# Altium PCB Blue Tractor_v3.3-2022.PcbDoc (part 1 of 3) (continued)
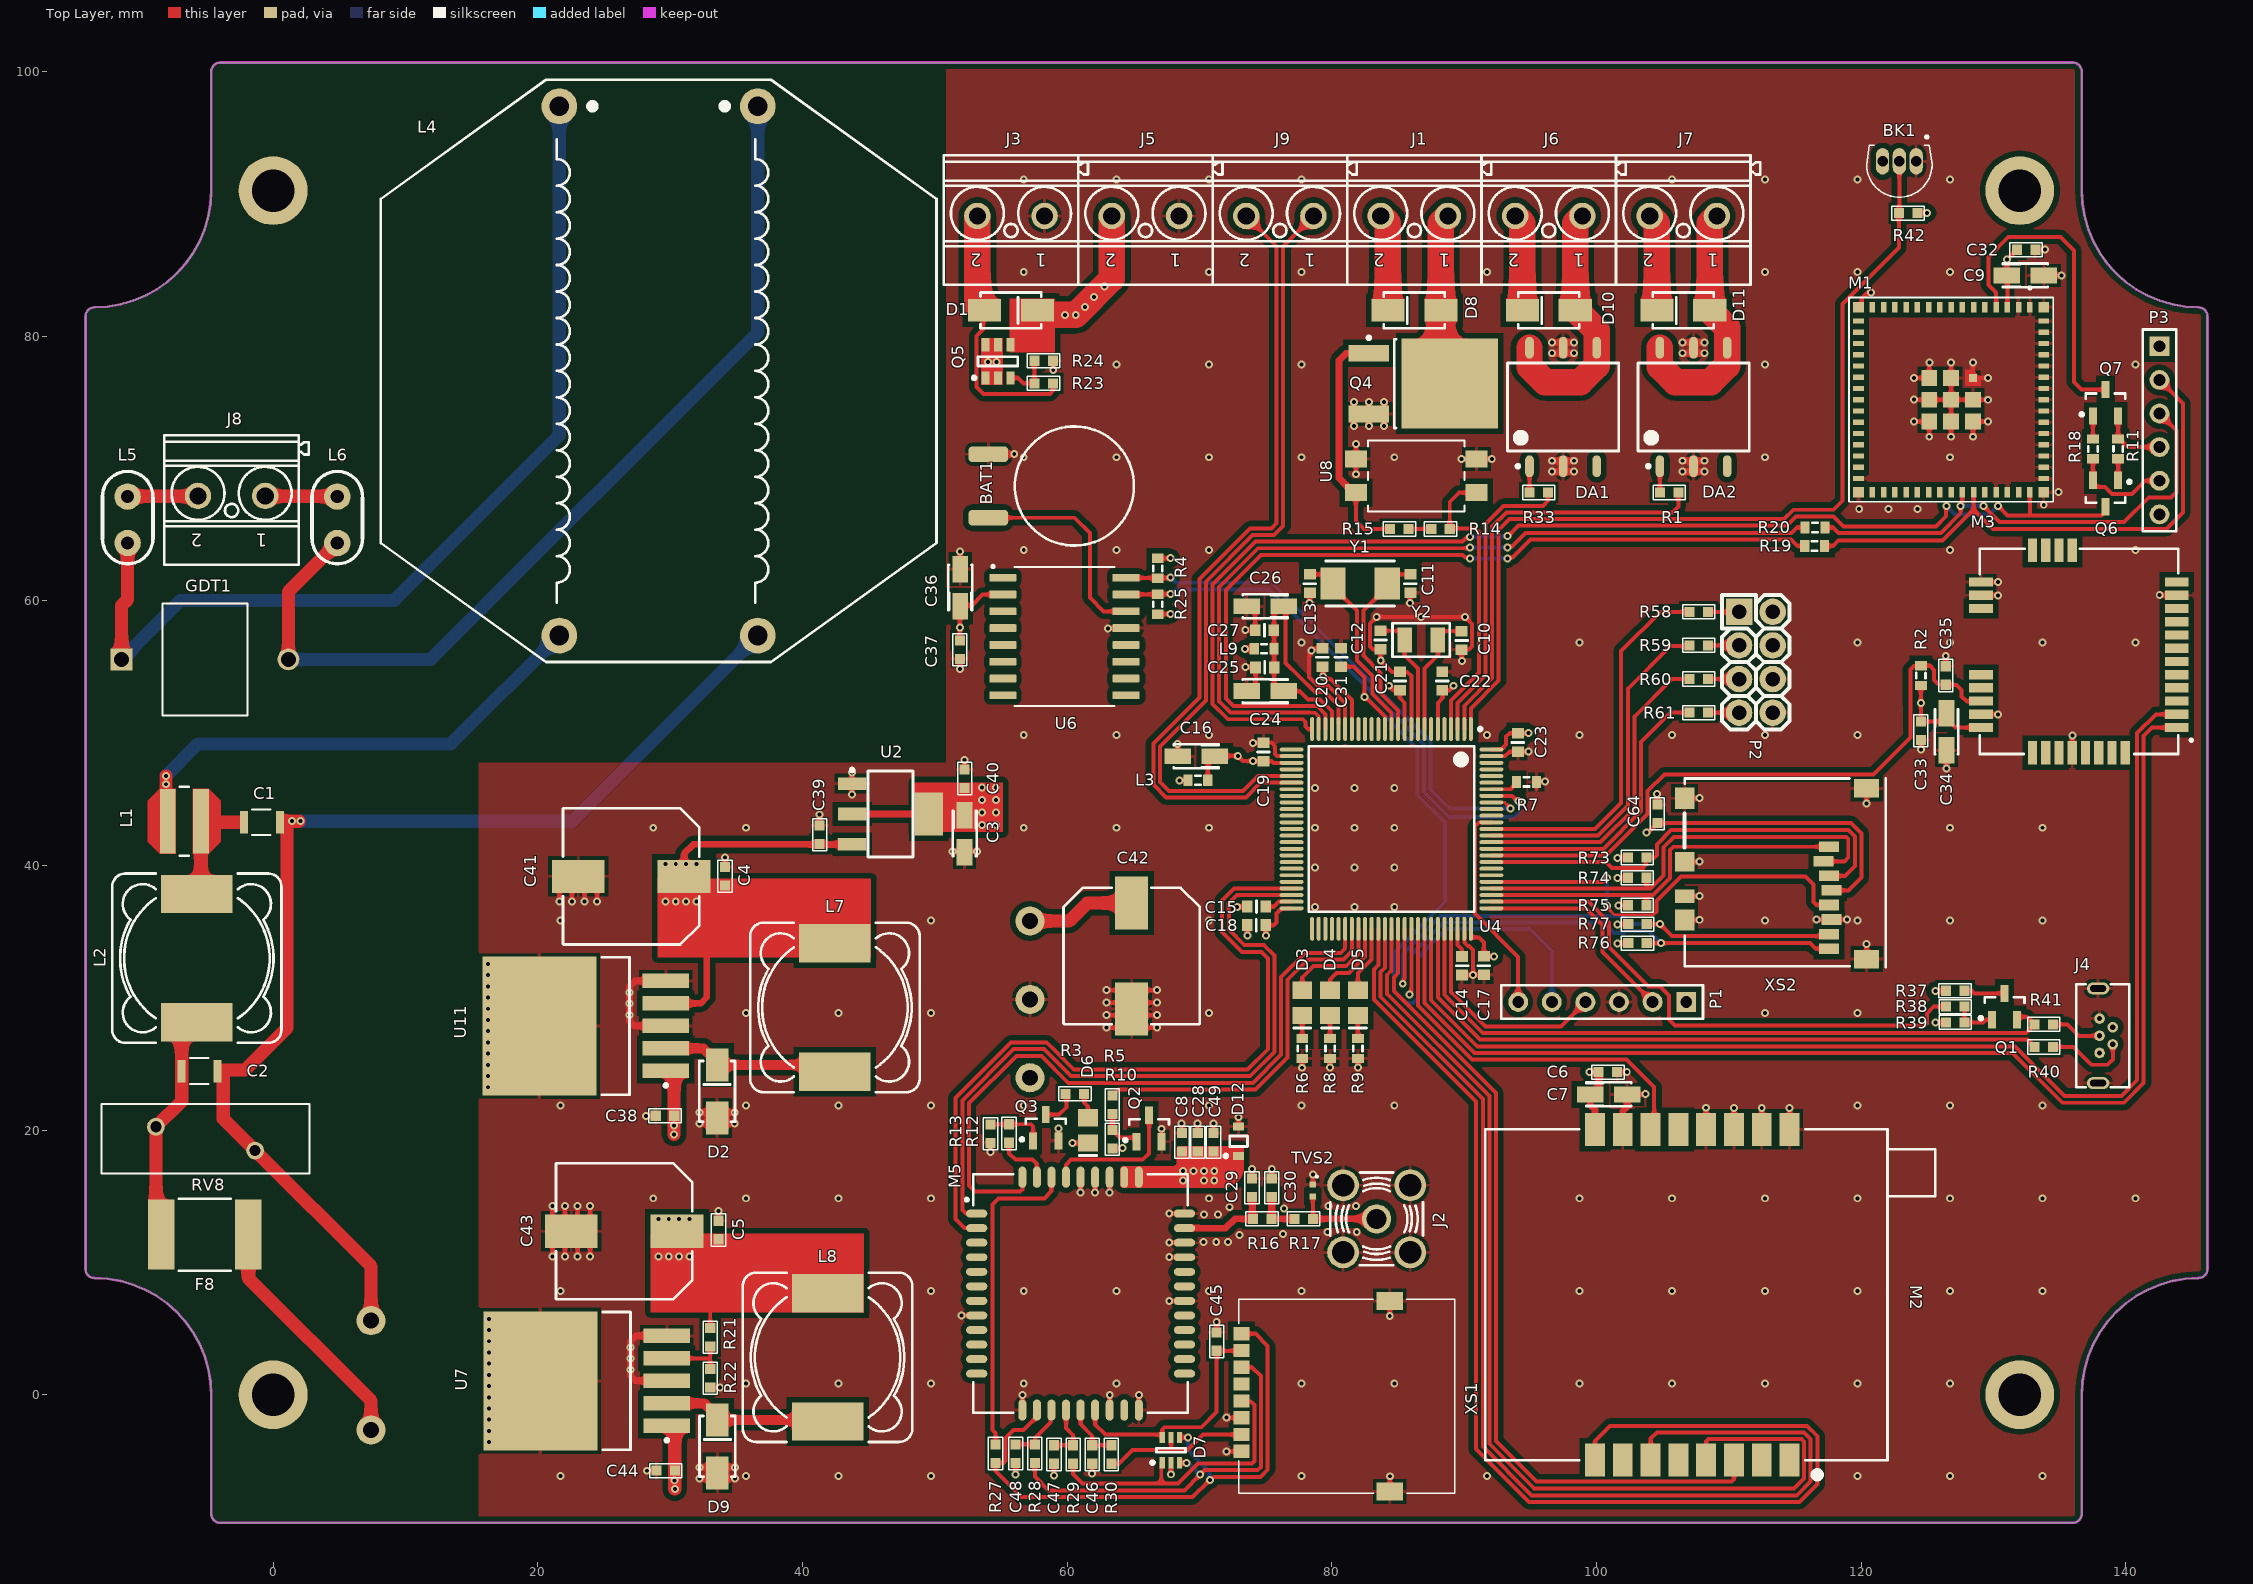
[diagram p0: Top Layer view]
## Board outline (continued)

## Design rules (kind name [scope] priority, off if disabled: settings)
Clearance Clearance_poly [InPoly] p1: gap=0.4 ignorepadtopadclearanceinfootprint=FALSE
Clearance [All] p2: gap=0.2 ignorepadtopadclearanceinfootprint=FALSE
ComponentClearance [All] p1: gap=0.2 collisioncheckmode=3 verticalgap=0.2 showdistances=FALSE
HoleSize [All] p1: absolutevalues=TRUE maxlimit=3.5 minlimit=0.025 maxpercent=80.000 minpercent=20.000
MinimumAnnularRing [All] p1: minimumring=0.2
MinimumSolderMaskSliver [All] p1: minsoldermaskwidth=0
PolygonConnect PolygonConnect_1 [IsVia] p1: connectstyle=Direct reliefconductorwidth=0.254 reliefentries=4 polygonreliefangle="90 Angle" airgapwidth=0.254
PolygonConnect [All] p2: connectstyle=Relief reliefconductorwidth=0.254 reliefentries=4 polygonreliefangle="90 Angle" airgapwidth=0.254
RoutingVias [All] p1: holewidth=0.3 width=0.6 viastyle="Through Hole" minholewidth=0.3 minwidth=0.6 maxholewidth=0.3 maxwidth=0.6
SilkToSilkClearance [All] p1: silktosilkclearance=0.1
SilkToSolderMaskClearance [IsPad] p1: minsilkscreentomaskgap=0.01 clearancetoexposedcopper=TRUE
SolderMaskExpansion [All] p1: expansion=0.102 istentingtop=FALSE
Width [All] p1: maxlimit=3 minlimit=0.2 preferedwidth=0.3 checkconnectedcopper=TRUE
25 further rules are at their usual default settings.

## Classes and differential pairs
net class HV: 4V_FB 12V_VDD +3.3V +4V +5V GND NetC1_1 NetC1_2 NetC2_2 NetC42_1 NetD1_1 NetD2_2 NetD9_2 NetF8_2 NetGDT1_1 NetGDT1_2 NetJ8_1 NetJ8_2 NetL1_1 NetQ5_3 NetU12_5
component class "[12] - RTC": BAT1 C36 C37 R4 R25 U6
component class "[11] - MOSFET": D8 D10 D11 DA1 DA2 J1 J6 J7 Q4 R1 R14 R15 R33 U8
component class "[10] - RFID": C6 C7 M2
component class "[09] - EMC-Power": C1 C2 C3 C4 C5 C38 C39 C40 C41 C42 C43 C44 D1 D2 D9 F8 GDT1 J3 J5 J8 L1 L2 L4 L5 L6 L7 L8 Q5 R21 R22 R23 R24 RV8 U2 U7 U11 U12
component class "[08] - LoRa_RAK3172": A1 A2 A3 A4 C33 C34 C35 M3 R2
component class "[07] - SD": *1 C64 R73 R74 R75 R76 R77 XS2
component class "[06] - IO_Ports": P2 R58 R59 R60 R61
component class "[05] - Sensors": BK1 R42
component class "[04] - USB-UART": J4 Q1 R37 R38 R39 R40 R41
component class "[03] - WiFi": C9 C32 M1 P3 Q6 Q7 R11 R18
component class "[02] - GSM": C8 C28 C29 C30 C45 C46 C47 C48 C49 D6 D7 D12 J2 M5 Q2 Q3 R3 R5 R10 R12 R13 R16 R17 R27 R28 R29 R30 TVS2 XS1
component class "[01] - MC": C10 C11 C12 C13 C14 C15 C16 C17 C18 C19 C20 C21 C22 C23 C24 C25 C26 C27 C31 D3 D4 D5 J9 L3 L9 P1 R6 R7 R8 R9 R19 R20 U4 Y1 Y2

## Components (designator, comment, footprint, x,y, rotation, side; value= is the part's Value field where it differs from the comment)
BAT1 "Battery" Bat 55.575,68.678 r270 top
BK1 "MAX31820" TO92127P495H695-3 122.895,92.469 r180 top
C1 "Capacitor" CAPASITOR_1206 -0.687,43.266 r180 top
C2 "Capacitor" CAPASITOR_1206 -5.391,24.466 r180 top
C3 "Capacitor Polarized" "Tantalum 3216 A" 52.26,42.411 r270 top
C4 "Capacitor" 0603_C 34.149,39.179 r270 top
C5 "Capacitor" 0603_C 33.653,12.45 r270 top
C6 "Capacitor" 0603_C 100.873,24.387 r180 top
C7 "Capacitor Polarized" "Tantalum 3216 A" 100.924,22.705 r0 top
C8 "Capacitor" 0603_C 68.679,19.091 r270 top
C9 "Capacitor Polarized" "Tantalum 3216 A" 132.42,84.595 r0 top
C10 "Capacitor" "Cap 0603" 89.816,57.007 r270 top
C11 "Capacitor" "Cap 0603" 85.938,61.302 r270 top
C12 "Capacitor" "Cap 0603" 83.691,57.036 r270 top
C13 "Capacitor" "Cap 0603" 78.349,61.303 r270 top
C14 "Capacitor" "Cap 0603" 89.846,32.423 r90 top
C15 "Capacitor" "Cap 0603" 74.315,36.891 r0 top
C16 "Capacitor Polarized" "Tantalum 3216 A" 69.767,48.257 r180 top
C17 "Capacitor" "Cap 0603" 91.5,32.434 r90 top
C18 "Capacitor" "Cap 0603" 74.305,35.491 r0 top
C19 "Capacitor" "Cap 0603" 74.838,48.577 r270 top
C20 "Capacitor" "Cap 0603" 79.299,55.728 r270 top
C21 "Capacitor" "Cap 0603" 85.15,53.937 r270 top
C22 "Capacitor" "Cap 0603" 88.351,53.937 r270 top
C23 "Capacitor" "Cap 0603" 94.066,49.289 r90 top
C24 "Capacitor Polarized" "Tantalum 3216 A" 74.969,53.175 r180 top
C25 "Capacitor" "Cap 0603" 74.94,54.975 r0 top
C26 "Capacitor Polarized" "Tantalum 3216 A" 74.969,59.586 r180 top
C27 "Capacitor" "Cap 0603" 74.914,57.776 r0 top
C28 "Capacitor" 0603_C 69.872,19.091 r270 top
C29 "Capacitor" 0603_C 73.973,15.642 r270 top
C30 "Capacitor" 0603_C 75.468,15.642 r270 top
C31 "Capacitor" "Cap 0603" 80.699,55.728 r270 top
C32 "Cap" 0603_C 132.471,86.531 r180 top value=0.1uF
C33 "Capacitor" 0603_C 124.521,50.175 r90 top
C34 "Capacitor Polarized" "Tantalum 3216 A" 126.457,50.101 r270 top
C35 "Capacitor" 0603_C 126.4,54.356 r270 top
C36 "Capacitor Polarized" "Tantalum 3216 A" 51.923,61.002 r90 top
C37 "Capacitor" 0603_C 51.898,56.302 r90 top
C38 "Capacitor" 0603_C 29.611,21.086 r0 top value=100nF
C39 "Capacitor" 0603_C 41.3,42.316 r270 top
C40 "Capacitor" 0603_C 52.26,46.563 r270 top
C41 "Capacitor Polarized" "Aluminium SMD G" 27.057,39.18 r0 top
C42 "Capacitor Polarized" "Aluminium SMD G" 64.881,33.16 r90 top
C43 "Capacitor Polarized" "Aluminium SMD G" 26.528,12.358 r0 top
C44 "Capacitor" 0603_C 29.669,-5.736 r0 top
C45 "Capacitor" 0603_C 71.306,4.023 r270 top
C46 "Capacitor" 0603_C 61.901,-4.512 r90 top
C47 "Capacitor" 0603_C 59.008,-4.512 r90 top
C48 "Capacitor" 0603_C 56.115,-4.448 r90 top
C49 "Capacitor" 0603_C 71.066,19.091 r270 top
C64 "Capacitor" 0603_C 104.607,43.904 r270 top
D1 "SK32" D-Schottky 55.759,81.953 r0 top
D2 "SK32" D-Schottky 33.553,22.923 r90 top
D3 "LED" "Led 0805 green" 77.769,29.618 r90 top
D4 "LED" "Led 0805 green" 79.872,29.618 r90 top
D5 "LED" "Led 0805 green" 81.976,29.618 r90 top
D6 "LED" "Led 0805 green" 61.578,19.984 r90 top
D7 "SMF05CT1G" "? TVS SMF05CT" 67.852,-4.181 r90 top
D8 "SK32" D-Schottky 86.241,81.953 r180 top
D9 "SK32" D-Schottky 33.569,-3.9 r90 top
D10 "SK32" D-Schottky 96.403,81.953 r180 top
D11 "SK32" D-Schottky 106.566,81.953 r180 top
D12 "D Schottky_1" SOD-323 72.963,19.161 r90 top
DA1 "LCA715STR" 6-SMD 97.486,74.649 r90 top
DA2 "LCA715STR" 6-SMD 107.341,74.649 r90 top
F8 "Fuse" FUSR_LITTELFUSE_2920L -5.172,12.103 r0 top value=1A
GDT1 "Gas Discharge Tube" GTCA28_TYCO_TYC -11.451,55.575 r0 top
J1 "" "Connector -PHOENIX_1715721" 86.241,89.082 r180 top
J2 "SMA" AMPHENOL_132134 83.393,13.295 r270 top
J3 "" "Connector -PHOENIX_1715721" 55.759,89.083 r180 top
J4 "USB3145-30-1-A" USB3145-XX-X_revB 138.274,27.129 r90 top
J5 "" "Connector -PHOENIX_1715721" 65.919,89.082 r180 top
J6 "" "Connector -PHOENIX_1715721" 96.403,89.082 r180 top
J7 "" "Connector -PHOENIX_1715721" 106.566,89.082 r180 top
J8 "" "Connector -PHOENIX_1715721" -3.14,67.925 r180 top
J9 "" "Connector -PHOENIX_1715721" 76.079,89.082 r180 top
L1 "Inductor" "? INDUCTOR_TDK" -6.716,43.345 r0 top
L2 "Inductor" "L8 -INDUCTOR_BOURNS_SRR1260" -5.766,32.991 r270 top
L3 "Inductor" 0603 69.885,46.443 r0 top
L4 "RN114-1-02 Current-compensated Chokes" "IND: RN152" 29.125,77.375 r270 top value=10mH
L5 "Inductor_BFB20022-4B-RC-ND" "INDUCTOR FB20022" -12.7,68.925 r270 top
L6 "Inductor_BFB20022-4B-RC-ND" "INDUCTOR FB20022" 3.15,68.925 r270 top
L7 "SRR1210" "L8 -INDUCTOR_BOURNS_SRR1260" 42.453,29.272 r90 top value=68µH
L8 "SRR1210" "L8 -INDUCTOR_BOURNS_SRR1260" 41.898,2.831 r90 top value=68µH
L9 "Inductor" 0603 74.89,56.375 r0 top
M1 "ESP32-S2-MINI-1U _Module" ESP32-S2-MINI-1U 126.807,75.198 r270 top
M2 "CF-MU904" CF-MU904 108.087,7.429 r180 top
M3 "RAK3172" RAK3172 136.458,56.172 r270 top
M5 "SIM800C" "GSM SIM800C" 61.019,7.643 r0 top
P1 "SWD" HDR1X6 106.791,29.68 r180 top
P2 "Header 4X2A" "CON: PLD-2*4" 112.049,55.359 r270 top
P3 "Header 6" HDR1X6 142.554,79.235 r270 top
Q1 "BC817-16" SOT23-3 130.85,29.335 r90 top
Q2 "SBC817-16" SOT23-3 66.201,20.122 r90 top
Q3 "BC817-16" SOT23-3 58.387,20.173 r90 top
Q4 "MOSFET-N" "D-PAK (TO-252)" 88.206,76.409 r0 top
Q5 "PMOSFET" SOT23-6 54.772,78.099 r90 top
Q6 "SS8049" SOT23-3 138.477,68.113 r270 top
Q7 "SS8049" SOT23-3 138.477,74.965 r90 top
R1 "Res1" 0603_R 105.499,68.183 r0 top value=300
R2 "Res1" Res-0603 124.521,54.343 r270 top
R3 "Res1" 0603_R 60.591,22.735 r0 top
R4 "Res1" Res-0603 66.853,62.459 r270 top
R5 "Res1" 0603_R 63.425,21.91 r90 top
R6 "Res1" Res-0603 77.769,26.168 r270 top
R7 "Res1" Res-0603 94.716,46.32 r180 top
R8 "Res1" Res-0603 79.872,26.168 r270 top
R9 "Res1" Res-0603 81.976,26.168 r270 top
R10 "Res1" 0603_R 63.425,19.314 r90 top
R11 "Res1" Res-0603 139.427,71.488 r90 top
R12 "Res1" 0603_R 55.611,19.745 r90 top
R13 "Res1" 0603_R 54.215,19.733 r90 top
R14 "Res1" 0603_R 88.22,65.43 r180 top
R15 "Res1" 0603_R 85.116,65.43 r0 top
R16 "Res1" 0603_R 74.735,13.295 r180 top
R17 "Res1" 0603_R 77.872,13.295 r180 top
R18 "Res1" Res-0603 137.527,71.488 r270 top
R19 "Res1" Res-0603 116.494,64.144 r180 top
R20 "Res1" Res-0603 116.519,65.545 r180 top
R21 "Res1" 0603_R 33.032,4.355 r270 top
R22 "Res1" 0603_R 33.032,1.25 r90 top
R23 "Res1" 0603_R 58.226,76.439 r180 top
R24 "Res1" 0603_R 58.226,78.143 r0 top
R25 "Res1" Res-0603 66.853,59.741 r90 top
R27 "Res1" 0603_R 54.593,-4.448 r270 top
R28 "Res1" 0603_R 57.562,-4.448 r270 top
R29 "Res1" 0603_R 60.454,-4.512 r270 top
R30 "Res1" 0603_R 63.347,-4.512 r270 top
R33 "Res1" 0603_R 95.644,68.183 r0 top value=300
R37 "Res1" 0603_R 127.106,30.531 r0 top
R38 "Res1" 0603_R 127.121,29.335 r180 top
R39 "Res1" 0603_R 127.121,28.138 r0 top
R40 "Res1" 0603_R 133.812,26.284 r0 top
R41 "Res1" 0603_R 133.812,27.988 r0 top
R42 "Res1" 0603_R 123.555,89.294 r0 top
R58 "Res1" 0603_R 107.734,59.169 r0 top
R59 "Res1" 0603_R 107.734,56.629 r0 top
R60 "Res1" 0603_R 107.734,54.089 r0 top
R61 "Res1" 0603_R 107.734,51.549 r0 top
R73 "Res1" 0603_R 103.083,40.598 r180 top
R74 "Res1" 0603_R 103.083,39.074 r180 top
R75 "Res1" 0603_R 103.083,36.995 r180 top
R76 "Res1" 0603_R 103.105,34.135 r180 top
R77 "Res1" 0603_R 103.105,35.565 r180 top
RV8 "Res Varistor" VARS_B72214S0271K101_TDK -1.362,18.453 r180 top
TVS2 "LXE15AAA1-153" LXES15_MUR-L 78.571,15.453 r270 top
U2 "LM1117MPX-3.3" LM1117IMPX-3.3 58.255,34.691 r0 top
U4 "STM32F407VGT6J" LQFP100_N 84.515,42.761 r270 top
U6 "DS3231M+TRL" DS3231-RTC 59.798,57.302 r0 top
U7 "LM2596S-12" TO-263-5 23.703,1.054 r180 top
U8 "Optoisolator1" LTV-817S_LTO-L 86.386,69.444 r180 top
U11 "LM2575" TO-263-5 23.628,27.876 r180 top
U12 "CBM70S120" "MOD: CBM70S" 33.046,24 r0 bottom locked
XS1 "WE-Card Connectors" 693022010811 73.187,-0.106 r270 top
XS2 "=Value" MICROSD 113.549,39.376 r270 top
Y1 "XTAL2pin" ABM3 82.143,61.306 r0 top
Y2 "32768" ECX-31B 86.751,57.036 r0 top

## Footprints (in the part's own frame and the unit in brackets; to place one, negate y for a bottom-side part, rotate by r counter-clockwise, add the part's x,y. Pads: shape width x height; smd on the part's side, far side on the other; paste and mask are expansions set on the pad)
6-SMD [mm] "Body 8.3x6.3mm; pitch 2.54mm"
  oval 1.65x0.65 smd: 1(-4.475,2.54) 2(-4.475,0) 3(-4.475,-2.54) 4(4.475,-2.54) 5(4.475,0) 6(4.475,2.54)
  silkscreen extent -4.6,-4.2 3.32,4.2, body extent -4.57,-4.23 4.59,4.28, height 4.08
0603 [mm] "Chip Resistor, Body 1.6x0.8mm, IPC High Density"
  rect 0.7x0.9 smd: 1(-0.75,0) 2(0.75,0)
  silkscreen extent -0.2,-0.35 0.2,0.35, body extent -0.8,-0.4 0.8,0.4, height 0.95
0603_C [mil] "Capacitor"
  rect 30x30 smd: 1(-27.5,0) 2(27.5,0)
  silkscreen extent -48,-21 48,21, body extent -35,-15 35,15, height 33
0603_R [mil]
  rect 30x30 smd: 1(-27.5,0) 2(27.5,0)
  silkscreen extent -48,-21 48,21, body extent -35,-15 35,15, height 24
693022010811 [mm]
  rect 1x1.2 smd: C1(-4.72,0) C2(-2.18,0) C3(0.36,0) C4(2.9,0) C5(-3.45,0) C6(-0.91,0) C7(1.63,0) C8(4.17,0)
  rect 1.35x2 smd: Z1(7.2,11.2) Z2(-7.2,11.2)
  silkscreen extent -7.33,-0.21 7.33,16.1, body extent -7.7,-0.21 7.7,16.09, height 2.07
"? INDUCTOR_TDK" [mm] "VLS252012T-2R2M1R3"
  rect 1.2x4.9 smd: 1(-1.25,0) 2(1.25,0)
  Top Layer region: -2.75,-1.55 -1.85,-2.45 -0.65,-2.45 -0.65,2.45 -1.85,2.45 -2.75,1.55
  Top Layer region: 2.75,1.55 1.85,2.45 0.65,2.45 0.65,-2.45 1.85,-2.45 2.75,-1.55
  silkscreen extent -0.35,-2.6 0.35,2.6, body extent -2.6,-2.6 2.6,2.6, height 2
"? TVS SMF05CT" [mm] "SOT363, 6-Leads"
  rect 0.85x0.4 smd: 1(-0.95,0.65) 2(-0.95,0) 3(-0.95,-0.65) 4(0.95,-0.65) 5(0.95,0) 6(0.95,0.65)
  silkscreen extent -1.07,-1.1 0.15,1.52, body extent -0.67,-1.1 0.68,1.1, height 1.1
ABM3 [mm] "ABM3 Miniature Ceramic SMD Crystal from Abracon. 5 mm x 3.2 mm x 1.3mm."
  rect 1.9x2.4 smd: 1(-2.05,0) 2(2.05,0)
  silkscreen extent -2.6,-1.7 2.6,1.7, body extent -2.6,-1.7 2.6,1.7, height 1.3
"Aluminium SMD G" [mm] "ALU-G(O=10.0mm, ?=10.3mm, h=10.2mm)"
  rect 4x2.5 smd: 1(4,0) 2(-4,0)
  silkscreen extent -5.15,-5.15 5.15,5.15, body extent -5.8,-5.15 5.8,5.15, height 10.2
AMPHENOL_132134 [mm] "50 Ohm Through Hole SMA Straight PCB Jack"
  round 2.2 hole 1.5: 1(0,0)
  round 2.4 hole 1.7: 2(-2.54,2.54) 2(-2.54,-2.54) 2(2.54,2.54) 2(2.54,-2.54)
  silkscreen extent -3.5,-3.5 3.5,3.5, body extent -3.5,-3.5 3.5,3.5, height 9.53
Bat [mm]
  rrect50% 1.2x3 smd: 1(2.4,-1.525) 2(-2.4,-1.525)
  silkscreen extent -4.5,0.48 4.5,9.48, body extent -5,-0.02 5,9.98, height 2.5
"Cap 0603" [mm] "Chip Capacitor, Body 1.6x0.8mm, IPC High Density"
  rect 0.8x0.9 smd: 1(-0.7,0) 2(0.7,0)
  silkscreen extent 0,-0.45 0,0.45, body extent -0.8,-0.41 0.8,0.41, height 0.57
CAPASITOR_1206 [mm] "500V"
  rect 0.6x1.7 smd: 1(-1.2,0) 2(1.524,0)
  silkscreen extent -0.5,-0.98 0.9,0.97, body extent -1.3,-0.8 1.6,0.8, height 1.2
CF-MU904 [mm] "UHF RFID reader module"
  rect 1.5x2.5 smd: 1(-6.509,12.373) 2(-4.409,12.373) 3(-2.309,12.373) 4(-0.209,12.373) 5(1.891,12.373) 6(3.991,12.373) 7(6.091,12.373) 8(8.191,12.373) 9(8.191,-12.627) 10(6.091,-12.627) 11(3.991,-12.627) 12(1.891,-12.627) 13(-0.209,-12.627) 14(-2.309,-12.627) 15(-4.409,-12.627) 16(-6.509,-12.627)
  silkscreen extent -17.51,-12.63 16.49,13.73, body extent -17.85,-12.63 16.65,12.37, height 3.8
"CON: PLD-2*4" [mm] "PLD-40 8 pin header"
  rect 2x2 hole 1.1: 1(-3.81,-1.27)
  round 2 hole 1.1: 2(-3.81,1.27) 3(-1.27,-1.27) 4(-1.27,1.27) 5(1.27,-1.27) 6(1.27,1.27) 7(3.81,-1.27) 8(3.81,1.27)
  silkscreen extent -5.08,-2.54 5.08,2.54, body extent -5.13,-2.55 5.03,2.53, height 8.54
"Connector -PHOENIX_1715721" [mm] "Terminal Block, 17.5A 400V, Pitch 5.08mm, 2 Positions, Screw Connection"
  round 2 hole 1.3: 1(-2.54,0) 2(2.54,0)
  silkscreen extent -5.82,-4.6 5.08,5.2, body extent -5.82,-4.6 5.08,5.2, height 14.2
"D-PAK (TO-252)" [mm]
  rect 3.05x1.25 smd: 1(-5.4,2.29) 3(-5.4,-2.29)
  rect 7.3x6.8 smd: 2(0.7,0)
  silkscreen extent -5.52,-3.35 -3.35,3.59, body extent -6.38,-3.37 3.72,3.37, height 2.37
D-Schottky [mm] "40 V 3 A"
  rect 2.5x1.7 smd: 1(-2,0) 2(2,0)
  silkscreen extent -2.3,-1.35 2.3,1.35, body extent -2.6,-1.28 2.6,1.35, height 2.5
DS3231-RTC [mm] "SOIC127P1032X265-16N"
  rrect25% 2.05x0.59 smd: 1(-4.655,4.445) 2(-4.655,3.175) 3(-4.655,1.905) 4(-4.655,0.635) 5(-4.655,-0.635) 6(-4.655,-1.905) 7(-4.655,-3.175) 8(-4.655,-4.445) 9(4.655,-4.445) 10(4.655,-3.175) 11(4.655,-1.905) 12(4.655,-0.635) 13(4.655,0.635) 14(4.655,1.905) 15(4.655,3.175) 16(4.655,4.445)
  silkscreen extent -5.5,-5.25 3.8,5.4, body extent -5.16,-5.13 5.16,5.17, height 2.65
ECX-31B [mm] "SMD CRYSTAL 32768Hz"
  rect 1.1x1.9 smd: 1(-1.25,0) 2(1.25,0)
  silkscreen extent -2.16,-1.27 2.16,1.27, body extent -1.6,-0.75 1.6,0.75, height 0.9
ESP32-S2-MINI-1U [mm] "SMD MODULE, ESP32-S2FN4R2 WITH 4"
  rect 0.8x0.4 smd: 1(-7,5.95) 2(-7,5.1) 3(-7,4.25) 4(-7,3.4) 5(-7,2.55) 6(-7,1.7) 7(-7,0.85) 8(-7,0) 9(-7,-0.85) 10(-7,-1.7) 11(-7,-2.55) 12(-7,-3.4) 13(-7,-4.25) 14(-7,-5.1) 15(-7,-5.95) 31(7,-5.95) 32(7,-5.1) 33(7,-4.25) 34(7,-3.4) 35(7,-2.55) 36(7,-1.7) 37(7,-0.85) 38(7,0) 39(7,0.85) 40(7,1.7) 41(7,2.55) 42(7,3.4) 43(7,4.25) 44(7,5.1) 45(7,5.95)
  rect 0.4x0.8 smd: 16(-5.95,-7) 17(-5.1,-7) 18(-4.25,-7) 19(-3.4,-7) 20(-2.55,-7) 21(-1.7,-7) 22(-0.85,-7) 23(0,-7) 24(0.85,-7) 25(1.7,-7) 26(2.55,-7) 27(3.4,-7) 28(4.25,-7) 29(5.1,-7) 30(5.95,-7) 46(5.95,7) 47(5.1,7) 48(4.25,7) 49(3.4,7) 50(2.55,7) 51(1.7,7) 52(0.85,7) 53(0,7) 54(-0.85,7) 55(-1.7,7) 56(-2.55,7) 57(-3.4,7) 58(-4.25,7) 59(-5.1,7) 60(-5.95,7)
  rect 0.6x0.6 smd paste-1 mask+0: 61(-1.65,1.65)
  rect 1.2x1.2 smd: 61(-1.65,0) 61(-1.65,-1.65) 61(0,1.65) 61(0,0) 61(0,-1.65) 61(1.65,1.65) 61(1.65,0) 61(1.65,-1.65)
  rect 0.8x0.8 smd: 62(-7,7) 63(-7,-7) 64(7,-7) 65(7,7)
  Top Layer region: -1.05,1.05 -2.25,1.05 -2.25,1.65 -1.65,2.25 -1.05,2.25
  silkscreen extent -8.55,-7.72 7.72,7.72, body extent -7.7,-7.7 7.7,7.7, height 2.55
FUSR_LITTELFUSE_2920L [mm] "Surface Mount POLY-FUSE® Resettable PTC, Body 7.355 x 5.12mm, 2920L Series"
  rect 2x5.3 smd: 1(-3.3,0) 2(3.3,0)
  silkscreen extent -1.95,-2.72 1.95,2.72, body extent -3.99,-2.72 3.99,2.72, height 1.8
"GSM SIM800C" [mm]
  oval 1.6x0.6 smd: 1(-7.85,6.05) 2(-7.85,4.95) 3(-7.85,3.85) 4(-7.85,2.75) 5(-7.85,1.65) 6(-7.85,0.55) 7(-7.85,-0.55) 8(-7.85,-1.65) 9(-7.85,-2.75) 10(-7.85,-3.85) 11(-7.85,-4.95) 12(-7.85,-6.05) 22(7.85,-6.05) 23(7.85,-4.95) 24(7.85,-3.85) 25(7.85,-2.75) 26(7.85,-1.65) 27(7.85,-0.55) 28(7.85,0.55) 29(7.85,1.65) 30(7.85,2.75) 31(7.85,3.85) 32(7.85,4.95) 33(7.85,6.05)
  oval 0.6x1.6 smd: 13(-4.4,-8.8) 14(-3.3,-8.8) 15(-2.2,-8.8) 16(-1.1,-8.8) 17(0,-8.8) 18(1.1,-8.8) 19(2.2,-8.8) 20(3.3,-8.8) 21(4.4,-8.8) 34(4.4,8.8) 35(3.3,8.8) 36(2.2,8.8) 37(0,8.8) 37(1.1,8.8) 39(-1.1,8.8) 40(-2.2,8.8) 41(-3.3,8.8) 42(-4.4,8.8)
  silkscreen extent -8.7,-9.01 8.1,9.01, body extent -7.85,-8.8 7.85,8.8, height 2.37
GTCA28_TYCO_TYC [mil]
  rect 65x65 hole 45 mask+0: 1(0,0)
  round 65 hole 45 mask+0: 2(496.1,0)
  silkscreen extent 121,-166 375,167, body extent -17,-162 514,162, height 323
HDR1X6 [mm] "Connector; Header; 6 Position"
  rect 1.5x1.5 hole 0.9: 1(0,0)
  round 1.5 hole 0.9: 2(2.54,0) 3(5.08,0) 4(7.62,0) 5(10.16,0) 6(12.7,0)
  silkscreen extent -1.27,-1.27 13.97,1.27
"IND: RN152" [mm] "2 Line Common Mode Choke Through Hole Filter"
  round 2.7 hole 1.5: 1(-20,7.5) 2(20,7.5) 3(-20,-7.5) 4(20,-7.5)
  silkscreen extent -22,-21 22,21, body extent -22,-21.2 22,21.2, height 23.98
"INDUCTOR FB20022" [mm]
  round 2 hole 1: 1(1.05,1.7) 2(4.555,1.7)
  silkscreen extent -0.85,-0.21 6.13,3.61, body extent -0.86,-0.21 6.13,3.61, height 10
"L8 -INDUCTOR_BOURNS_SRR1260" [mm] "SMD Inductor Body Width 12.5mm Body Lenght 12.5mm Height 6.5mm"
  rect 2.9x5.4 smd: 1(-4.85,0) 2(4.85,0)
  silkscreen extent -6.4,-6.4 6.4,6.4, body extent -6.4,-6.4 6.4,6.4, height 6.5
"Led 0805 green" [mm] "Body 2.0 x 1.2 mm (LxW typ)"
  rect 1.3x1.5 smd: 1(-0.95,0) 2(0.95,0)
  silkscreen extent -1.9,-0.65 -1.9,0.65, body extent -1.01,-0.62 1.01,0.63, height 1.1
LM1117IMPX-3.3 [mm] "SOT 223"
  rect 2.15x0.95 smd: 1(-14.5,11.5) 2(-14.5,9.2) 3(-14.5,6.9)
  rect 2.15x3.25 smd: 2(-8.7,9.2)
  silkscreen extent -14.62,5.95 -9.9,12.65, body extent -15.1,5.85 -8.1,12.55, height 1.8
LQFP100_N [mm] "Thin QFP, 100-Leads, Body 14x14mm, Pitch 0.5mm, IPC Medium Density"
  oval 1.8x0.3 smd: 1(-7.55,6) 2(-7.55,5.5) 3(-7.55,5) 4(-7.55,4.5) 5(-7.55,4) 6(-7.55,3.5) 7(-7.55,3) 8(-7.55,2.5) 9(-7.55,2) 10(-7.55,1.5) 11(-7.55,1) 12(-7.55,0.5) 13(-7.55,0) 14(-7.55,-0.5) 15(-7.55,-1) 16(-7.55,-1.5) 17(-7.55,-2) 18(-7.55,-2.5) 19(-7.55,-3) 20(-7.55,-3.5) 21(-7.55,-4) 22(-7.55,-4.5) 23(-7.55,-5) 24(-7.55,-5.5) 25(-7.55,-6) 51(7.55,-6) 52(7.55,-5.5) 53(7.55,-5) 54(7.55,-4.5) 55(7.55,-4) 56(7.55,-3.5) 57(7.55,-3) 58(7.55,-2.5) 59(7.55,-2) 60(7.55,-1.5) 61(7.55,-1) 62(7.55,-0.5) 63(7.55,0) 64(7.55,0.5) 65(7.55,1) 66(7.55,1.5) 67(7.55,2) 68(7.55,2.5) 69(7.55,3) 70(7.55,3.5) 71(7.55,4) 72(7.55,4.5) 73(7.55,5) 74(7.55,5.5) 75(7.55,6)
  oval 0.3x1.8 smd: 26(-6,-7.55) 27(-5.5,-7.55) 28(-5,-7.55) 29(-4.5,-7.55) 30(-4,-7.55) 31(-3.5,-7.55) 32(-3,-7.55) 33(-2.5,-7.55) 34(-2,-7.55) 35(-1.5,-7.55) 36(-1,-7.55) 37(-0.5,-7.55) 38(0,-7.55) 39(0.5,-7.55) 40(1,-7.55) 41(1.5,-7.55) 42(2,-7.55) 43(2.5,-7.55) 44(3,-7.55) 45(3.5,-7.55) 46(4,-7.55) 47(4.5,-7.55) 48(5,-7.55) 49(5.5,-7.55) 50(6,-7.55) 76(6,7.55) 77(5.5,7.55) 78(5,7.55) 79(4.5,7.55) 80(4,7.55) 81(3.5,7.55) 82(3,7.55) 83(2.5,7.55) 84(2,7.55) 85(1.5,7.55) 86(1,7.55) 87(0.5,7.55) 88(0,7.55) 89(-0.5,7.55) 90(-1,7.55) 91(-1.5,7.55) 92(-2,7.55) 93(-2.5,7.55) 94(-3,7.55) 95(-3.5,7.55) 96(-4,7.55) 97(-4.5,7.55) 98(-5,7.55) 99(-5.5,7.55) 100(-6,7.55)
  silkscreen extent -7.67,-6.25 6.25,6.83, body extent -8,-8 8,8, height 1.6
LTV-817S_LTO-L [mil]
  rect 65x51 smd paste+0 mask+0: 1(-179.5,50) 2(-179.5,-50) 3(179.5,-50) 4(179.5,50)
  silkscreen extent -143,-105 143,106, body extent -206,-101 206,101, height 181
LXES15_MUR-L [mm] "TVS"
  rect 0.452x0.499 smd paste+0 mask+0: 1(-0.451,0) 2(0.451,0)
  silkscreen extent -1.1,0.22 -0.95,0.38, body extent -0.53,-0.28 0.53,0.28, height 0.33
MICROSD [mm]
  rect 0.8x1.5 smd: 1(-2.04,4.025) 2(-0.94,3.625) 3(0.16,4.025) 4(1.26,4.225) 5(2.36,4.025) 6(3.46,4.225) 7(4.56,4.025) 8(5.66,4.025)
  rect 1.4x1.9 smd: 9(-6.45,6.875) 9(6.45,6.875)
  rect 1.6x1.5 smd: 10(-5.7,-6.875) 10(3.5,-6.875)
  rect 1.5x1.5 smd: 10(-0.9,-6.875)
  rect 1x1.5 smd: 10(1.7,-6.875)
  silkscreen extent -7.2,-6.88 7.05,8.33, body extent -7.2,-6.87 7.05,8.33, height 1.9
"MOD: CBM70S" [mm] "AC/DC CONVERTER"
  round 2.2 hole 1.2: 1(-25.65,26.66) 2(-25.65,18.4) 3(24.15,-11.8) 4(24.15,-5.88) 5(24.15,0.04)
  silkscreen extent -28.9,-30.5 28.9,30.5, body extent -28.95,-30.5 28.95,30.5, height 17
RAK3172 [mm] "SMD RF MODULE"
  rect 0.7x1.8 smd: 1(5.75,7.4) 2(4.75,7.4) 3(3.75,7.4) 4(2.75,7.4) 5(1.75,7.4) 6(0.75,7.4) 7(-0.25,7.4) 8(-1.25,7.4) 9(-2.25,7.4) 10(-3.25,7.4) 11(-4.25,7.4) 12(-5.25,7.4) 17(-5.25,-7.4) 18(-4.25,-7.4) 19(-3.25,-7.4) 20(1.75,-7.4) 21(2.75,-7.4) 22(3.75,-7.4) 23(4.75,-7.4) 24(5.75,-7.4)
  rect 1.8x0.7 smd: 13(-7.65,-0.5) 14(-7.65,-1.5) 15(-7.65,-2.5) 16(-7.65,-3.5) 25(7.65,-3.5) 26(7.65,-2.5) 27(7.65,-1.5) 28(7.65,-0.5) 29(7.65,0.5) 30(7.65,1.5) 31(7.65,2.5) 32(7.65,3.5)
  silkscreen extent -7.75,-7.5 7.75,8.6, body extent -7.75,-7.5 7.75,7.5, height 3.5
Res-0603 [mm] "Chip Resistor, Body 1.6x0.8mm, IPC High Density"
  rect 0.7x0.9 smd: 1(-0.75,0) 2(0.75,0)
  silkscreen extent -0.2,-0.35 0.2,0.35, body extent -0.8,-0.41 0.8,0.41, height 0.45
SOD-323 [mm] "SOD, 2-Leads, Body 1.7x1.25mm"
  rect 0.63x0.83 smd: 1(-1.115,0) 2(1.115,0)
  silkscreen extent -1.24,-0.68 0.4,1.09, body extent -0.85,-0.63 0.85,0.63, height 1.06
SOT23-3 [mm] "SOT23, 3-Leads, Body 2,90x2,30mm, Pitch 0,95mm, IPC Medium Density"
  rect 1.3x0.6 smd: 1(-1,0.95) 2(-1,-0.95) 3(1,0)
  silkscreen extent -1,-1.5 0.7,1.92, body extent -1.4,-1.45 1.4,1.45, height 1.3
SOT23-6 [mm]
  rect 1x0.6 smd: 1(-1.25,0.95) 2(-1.25,0) 3(-1.25,-0.95) 4(1.25,-0.95) 5(1.25,0) 6(1.25,0.95)
  silkscreen extent -1.37,-1.5 0.35,1.92, body extent -1.4,-1.45 1.4,1.45, height 1.45
"Tantalum 3216 A" [mm] "Capacitor, SM Tantalum; Body 3.2 x 1.6 mm (LxW typ)"
  rect 2x1.2 smd: 1(-1.4,0) 2(1.4,0)
  silkscreen extent -1.7,-0.9 1.7,0.9, body extent -1.6,-0.8 1.6,0.8, height 1.6
TO92127P495H695-3 [mm]
  oval 1x2 hole 0.8: 1(-1.27,-0.745) 2(0,-0.745) 3(1.27,-0.745)
  silkscreen extent -2.48,-2.68 2.47,1.97, body extent -2.4,-2.27 2.4,1.66, height 9
TO-263-5 [mm] "D2-PAK, 6-Leads, Body 8.6x10.2mm, Pitch 1.7mm, Lead Span 14.1mm, IPC Low Density"
  rect 3.5x1.1 smd: 1(-6.05,3.4) 2(-6.05,1.7) 3(-6.05,0) 4(-6.05,-1.7) 5(-6.05,-3.4)
  rect 8.6x10.5 smd: 6(3.5,0)
  silkscreen extent -6.18,-5.2 -1.2,5.2, body extent -6.93,-5.08 7.09,5.08, height 4.56
USB3145-XX-X_revB [mm] "Micro USB Receptacle, Type B, Through-Hole, Vertical,  with Through-Hole Shell Stakes"
  round 0.8 hole 0.4: 1(-1.3,0.25) 2(-0.65,-0.75) 3(0,0.25) 4(0.65,-0.75) 5(1.3,0.25)
  oval 0.9x1.7 hole 0.5 slot 1.2 at 90 deg: S(-3.575,0.36) S(3.575,0.36)
  silkscreen extent -3.9,-2 3.9,2, body extent -3.9,-2 3.9,2, height 6.6
VARS_B72214S0271K101_TDK [mil]
  round 53 hole 33 mask+0: 1(0,0) 2(295.27,-70.87)
  silkscreen extent -162,-139 458,68, body extent -160,-137 450,60, height 610

## Part data
BAT1: "Multicell Battery", LatestRevisionDate=17-Jul-2002, LatestRevisionNote="Re-released for DXP Platform.", PackageDescription="Battery; 2 Leads", PackageReference=BAT-2, Published=24-Mar-1999, Publisher="Altium Limited"
BK1: "MAX31820PAR  temper sensor"
C1: library part 1, "Chip Capacitor Nonpolar", Capacitance=1000pF, Manufacturer="Samsung Electro-Mechanics America, Inc", Manufacturer Part Number=CL31B102KGFNFNE, Operating Temperature="-55°C ~ 125°C", Package / Case="1206 (3216 Metric)", Ratings=-, Supplier Part Number 1=1276-3065-1-ND, Temperature Coefficient=X7R, Tolerance=±10%, Voltage - Rated=500V, Applications="General Purpose", Category=Capacitors, ComponentLink1Description=http://www.samsungsem.com/kr/front/downloadcms.do?path=/kr/support/product-search/mlcc/__icsFiles/afieldfile/2014/11/05&fileName=S_CL31B102KGFNFNE.pdf, ComponentLink1URL=http://www.samsungsem.com/kr/front/downloadcms.do?path=/kr/support/product-search/mlcc/__icsFiles/afieldfile/2014/11/05&fileName=S_CL31B102KGFNFNE.pdf, Features=-, Height - Seated (Max)=-, ID=1, LatestRevisionDate=17-Jul-2002, LatestRevisionNote="Re-released for DXP Platform.", Lead Spacing=-, Lead Style=-, Lybrary Path=Capacitors.SchLib, Mounting Type="Surface Mount, MLCC", PackageDescription="Radial Cap, Thru-Hole; 2 Leads; 0.3 in Pin Spacing", PackageReference=RAD-0.3, Packaging="Cut Tape (CT)", Pricing 1="1=0.19, 10=0.126, 25=0.092, 100=0.0643, 500=0.0459, 1000=0.03902 (USD)", Published=8-Jun-2000, Publisher="Altium Limited", RoHS="RoHS Compliant", Size / Dimension="0.126\" L x 0.063\" W (3.20mm x 1.60mm)", Stock 1=2501, Supplier 1=Digi-Key, Thickness (Max)="0.055\" (1.40mm)"
C2: library part 1, "Chip Capacitor Nonpolar", Capacitance=10000pF, Manufacturer="Samsung Electro-Mechanics America, Inc", Manufacturer Part Number=CL31B103KGFNNNE, Operating Temperature="-55°C ~ 125°C", Package / Case="1206 (3216 Metric)", Ratings=-, Supplier Part Number 1=1276-3076-1-ND, Temperature Coefficient=X7R, Tolerance=±10%, Voltage - Rated=500V, Applications="General Purpose", Category=Capacitors, ComponentLink1Description=http://www.samsungsem.com/kr/front/downloadcms.do?path=/kr/support/product-search/mlcc/__icsFiles/afieldfile/2014/11/05&fileName=S_CL31B103KGFNNNE.pdf, ComponentLink1URL=http://www.samsungsem.com/kr/front/downloadcms.do?path=/kr/support/product-search/mlcc/__icsFiles/afieldfile/2014/11/05&fileName=S_CL31B103KGFNNNE.pdf, Features=-, Height - Seated (Max)=-, Lead Spacing=-, Lead Style=-, Mounting Type="Surface Mount, MLCC", Packaging="Cut Tape (CT)", Pricing 1="1=0.26, 10=0.216, 25=0.1484, 100=0.108, 500=0.07156, 1000=0.06345 (USD)", RoHS="RoHS Compliant", Size / Dimension="0.126\" L x 0.063\" W (3.20mm x 1.60mm)", Stock 1=4460, Supplier 1=Digi-Key, Thickness (Max)="0.055\" (1.40mm)"
C3: library part 2, "Tantalum Capacitor", Capacitance=1uF, Case/Package=1206, Case Code (Metric)=3216, Dielectric Material=Tantalum, ESR (Equivalent Series Resistance)=9.3R, Leakage Current=500nA, Manufacturer="Vishay Sprague", Manufacturer Part Number=293D105X9016A2TE3, Max Operating Temperature=125°C, Min Operating Temperature=-55°C, Package Quantity=1, Ripple Current=90mA, Supplier Part Number 1=718-1113-6-ND, Tolerance=10%, Voltage=16V, Case Code (Imperial)=1206, ComponentLink1Description=http://www.kemet.com/Lists/ProductCatalog/Attachments/254/KEM_T2005_T491.pdf, ComponentLink1URL=http://www.kemet.com/Lists/ProductCatalog/Attachments/254/KEM_T2005_T491.pdf, ComponentLink2Description=https://datasheet.ciiva.com/11793/0900766b80d97b37-11793487.pdf, ComponentLink2URL=https://datasheet.ciiva.com/11793/0900766b80d97b37-11793487.pdf, ComponentLink3Description=https://datasheet.ciiva.com/26328/453930-da-01-en-smd-kondensator-293d105x9016a2te3-2000st-26328789.pdf, ComponentLink3URL=https://datasheet.ciiva.com/26328/453930-da-01-en-smd-kondensator-293d105x9016a2te3-2000st-26328789.pdf, ComponentLink4Description=https://datasheet.ciiva.com/257/293d-257909.pdf, ComponentLink4URL=https://datasheet.ciiva.com/257/293d-257909.pdf, ComponentLink5Description=https://datasheet.ciiva.com/257/293d-257910.pdf, ComponentLink5URL=https://datasheet.ciiva.com/257/293d-257910.pdf, ComponentLink6Description=https://datasheet.ciiva.com/16199/293d-16199270.pdf, ComponentLink6URL=https://datasheet.ciiva.com/16199/293d-16199270.pdf, ComponentLink7Description=https://datasheet.ciiva.com/257/293d-257911.pdf, ComponentLink7URL=https://datasheet.ciiva.com/257/293d-257911.pdf, ComponentLink8Description=https://datasheet.ciiva.com/3003/293d-3003799.pdf, ComponentLink8URL=https://datasheet.ciiva.com/3003/293d-3003799.pdf, ComponentLink9Description=https://datasheet.ciiva.com/11244/293d-11244087.pdf, ComponentLink9URL=https://datasheet.ciiva.com/11244/293d-11244087.pdf, ComponentLink10Description=https://datasheet.ciiva.com/46382/1910915-46382039.pdf, ComponentLink10URL=https://datasheet.ciiva.com/46382/1910915-46382039.pdf, ComponentLink11Description=https://datasheet.ciiva.com/3003/293d-3003800.pdf, ComponentLink11URL=https://datasheet.ciiva.com/3003/293d-3003800.pdf, ComponentLink12Description=https://datasheet.ciiva.com/18445/70212567-18445480.pdf, ComponentLink12URL=https://datasheet.ciiva.com/18445/70212567-18445480.pdf, ComponentLink13Description=https://datasheet.ciiva.com/1463/438417-1463146.pdf, ComponentLink13URL=https://datasheet.ciiva.com/1463/438417-1463146.pdf, ComponentLink14Description=https://datasheet.ciiva.com/12884/293d-239871-12884475.pdf, ComponentLink14URL=https://datasheet.ciiva.com/12884/293d-239871-12884475.pdf, ComponentLink15Description=https://datasheet.ciiva.com/22695/438417-22695102.pdf, ComponentLink15URL=https://datasheet.ciiva.com/22695/438417-22695102.pdf, ComponentLink16Description=https://datasheet.ciiva.com/6071/1748031-6071279.pdf, ComponentLink16URL=https://datasheet.ciiva.com/6071/1748031-6071279.pdf, Depth=1.6mm, Dissipation Factor=4%, Features="General Purpose", Height=1.6mm, Height - Seated (Max)=0.071inch, Lead Free="Lead Free", Length=3.2mm, Mount="Surface Mount,PCB", Packaging="Tape and Reel", Polarity=Polar, Pricing 1="1=0.33, 10=0.228, 100=0.1369, 500=0.1027, 1000=0.08672 (USD)", Radiation Hardening=No, REACH SVHC=Unknown, Stock 1=0, Supplier 1=Digi-Key, Termination=SMD/SMT, Voltage Rating=16V, Voltage Rating (DC)=16V, Width=1.6mm